# Altium PCB Minion_Rev2.PcbDoc (part 5 of 11) (continued)
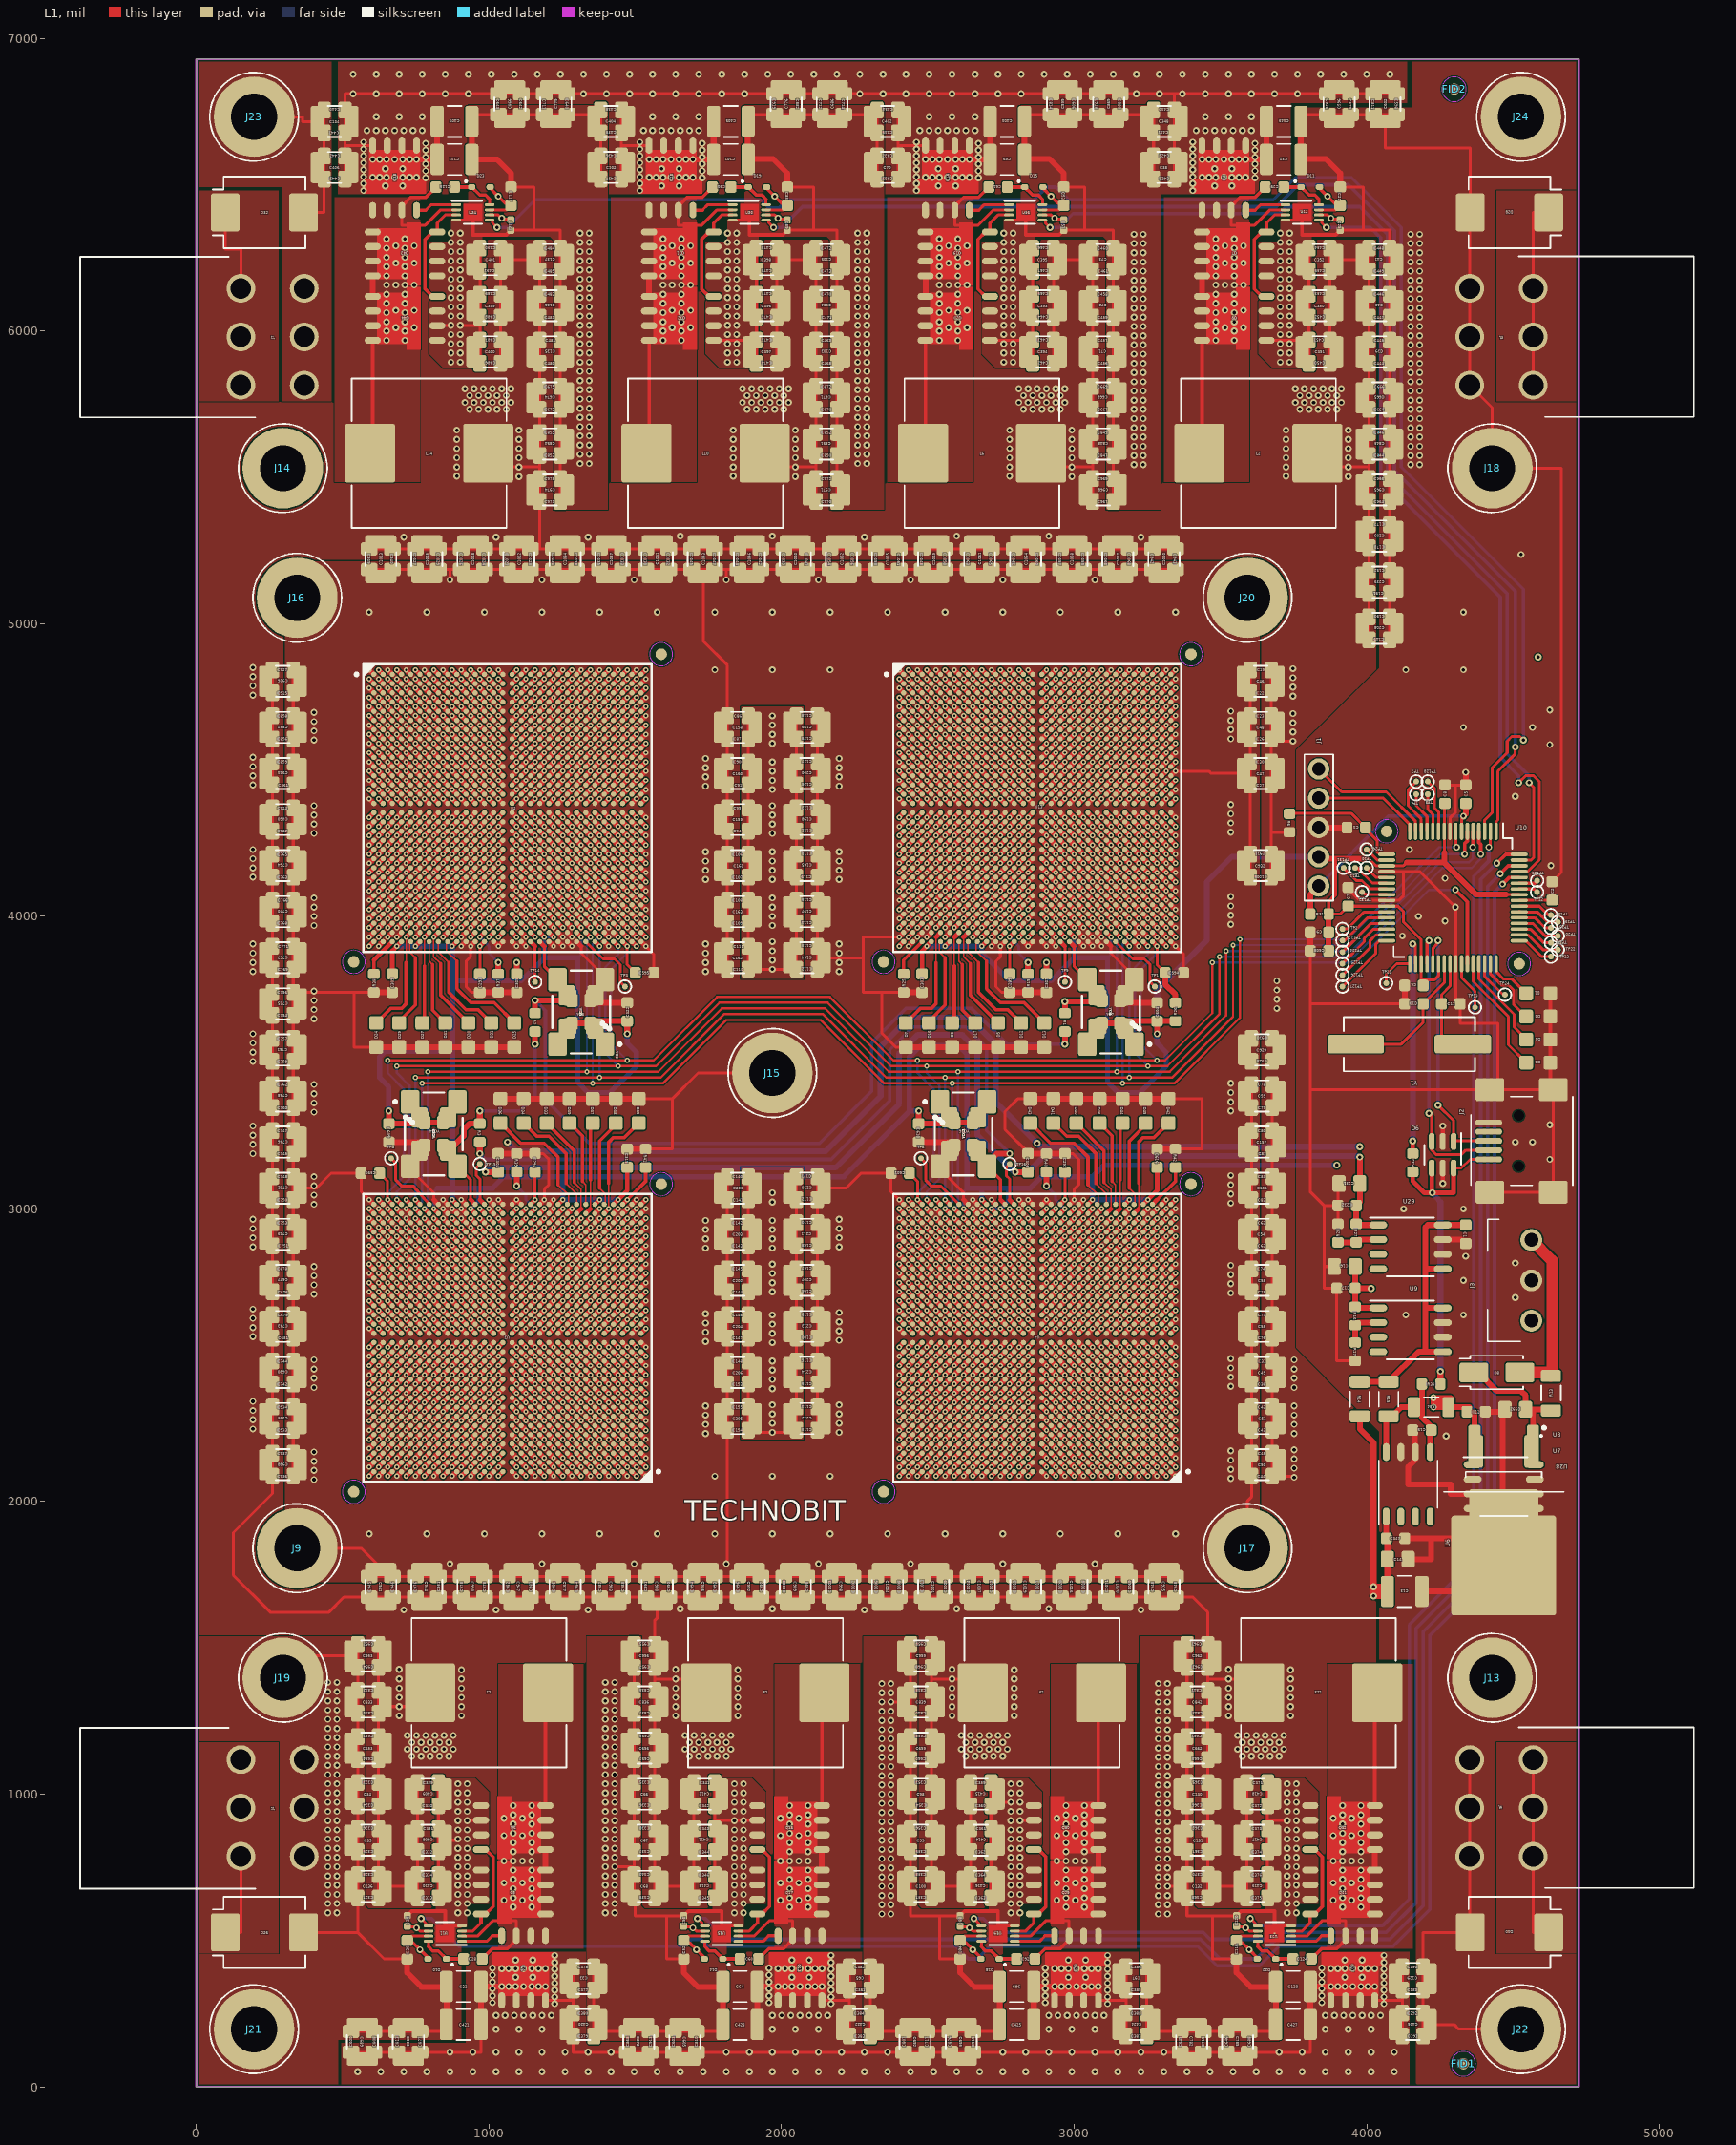
[diagram p0: L1 view]
## Nets (pads, with @x,y where several pads share a name; then routed paths per layer and width w, separated by ;. In a path a pad name is that pad's centre, name@x,y a point inside that pad or via, vN(x,y) a via of type N, cw(c..) or ccw(c..) an arc to the next point about the centre after c; other vN are vias at no path point) (continued)
v1(1125.98,2748.03) ; U3.AC14@1110.24,2795.28 v1(1125.98,2811.02) ; U3.AE14@1110.24,2858.27 v1(1125.98,2874.02) ; U3.AG14@1110.24,2921.26 v1(1125.98,2937.01) ; U3.AJ14@1110.24,2984.25 v1(1125.98,3000) ; U2.AH17@1110.24,3976.38 v1(1125.98,3960.63) ; U2.AF17@1110.24,4039.37 v1(1125.98,4023.62) ; U2.AD17@1110.24,4102.36 v1(1125.98,4086.61) ; U2.AB17@1110.24,4165.35 v1(1125.98,4149.61) ; U2.Y17@1110.24,4228.35 v1(1125.98,4212.6) ; U2.V17@1110.24,4291.34 v1(1125.98,4275.59) ; U2.T17@1110.24,4354.33 v1(1125.98,4338.58) ; U2.P17@1110.24,4417.32 v1(1125.98,4433.07) ; U2.M17@1110.24,4480.31 v1(1125.98,4496.06) ; U2.K17@1110.24,4543.31 v1(1125.98,4559.06) ; U2.H17@1110.24,4606.3 v1(1125.98,4622.05) ; U2.F17@1110.24,4669.29 v1(1125.98,4685.04) ; U2.D17@1110.24,4732.28 v1(1125.98,4748.03) ; U2.B17@1110.24,4795.28 v1(1125.98,4811.02) ; U3.B13@1141.73,2133.86 v1(1157.48,2118.11) ; U3.D13@1141.73,2196.85 v1(1157.48,2181.1) ; U3.F13@1141.73,2259.84 v1(1157.48,2244.09) ; U3.H13@1141.73,2322.83 v1(1157.48,2307.09) ; U3.K13@1141.73,2385.83 v1(1157.48,2370.08) ; U3.M13@1141.73,2448.82 v1(1157.48,2433.07) ; U3.P13@1141.73,2511.81 v1(1157.48,2496.06) ; U3.T13@1141.73,2574.8 v1(1157.48,2590.55) ; U3.V13@1141.73,2637.8 v1(1157.48,2653.54) ; U3.Y13@1141.73,2700.79 v1(1157.48,2716.54) ; U3.AB13@1141.73,2763.78 v1(1157.48,2779.53) ; U3.AD13@1141.73,2826.77 v1(1157.48,2842.52) ; U3.AF13@1141.73,2889.76 v1(1157.48,2905.51) ; U3.AH13@1141.73,2952.76 v1(1157.48,2968.5) ; U2.AJ18@1141.73,3944.88 v1(1157.48,3929.13) ; U2.AG18@1141.73,4007.87 v1(1157.48,3992.13) ; U2.AE18@1141.73,4070.87 v1(1157.48,4055.12) ; U2.AC18@1141.73,4133.86 v1(1157.48,4118.11) ; U2.AA18@1141.73,4196.85 v1(1157.48,4181.1) ; U2.W18@1141.73,4259.84 v1(1157.48,4244.09) ; U2.U18@1141.73,4322.83 v1(1157.48,4307.09) ; U2.R18@1141.73,4385.83 v1(1157.48,4401.57) ; U2.N18@1141.73,4448.82 v1(1157.48,4464.57) ; U2.L18@1141.73,4511.81 v1(1157.48,4527.56) ; U2.J18@1141.73,4574.8 v1(1157.48,4590.55) ; U2.G18@1141.73,4637.8 v1(1157.48,4653.54) ; U2.E18@1141.73,4700.79 v1(1157.48,4716.54) ; U2.C18@1141.73,4763.78 v1(1157.48,4779.53) ; U2.A18@1141.73,4826.77 v1(1157.48,4842.52) ; U3.A12@1173.23,2102.36 v1(1188.98,2086.61) ; U3.C12@1173.23,2165.35 v1(1188.98,2149.61) ; U3.E12@1173.23,2228.35 v1(1188.98,2212.6) ; U3.G12@1173.23,2291.34 v1(1188.98,2275.59) ; U3.J12@1173.23,2354.33 v1(1188.98,2338.58) ; U3.L12@1173.23,2417.32 v1(1188.98,2401.57) ; U3.N12@1173.23,2480.31 v1(1188.98,2464.57) ; U3.R12@1173.23,2543.31 v1(1188.98,2527.56) ; U3.U12@1173.23,2606.3 v1(1188.98,2622.05) ; U3.W12@1173.23,2669.29 v1(1188.98,2685.04) ; U3.AA12@1173.23,2732.28 v1(1188.98,2748.03) ; U3.AC12@1173.23,2795.28 v1(1188.98,2811.02) ; U3.AE12@1173.23,2858.27 v1(1188.98,2874.02) ; U3.AG12@1173.23,2921.26 v1(1188.98,2937.01) ; U2.AH19@1173.23,3976.38 v1(1188.98,3960.63) ; U2.AF19@1173.23,4039.37 v1(1188.98,4023.62) ; U2.AD19@1173.23,4102.36 v1(1188.98,4086.61) ; U2.AB19@1173.23,4165.35 v1(1188.98,4149.61) ; U2.Y19@1173.23,4228.35 v1(1188.98,4212.6) ; U2.V19@1173.23,4291.34 v1(1188.98,4275.59) ; U2.T19@1173.23,4354.33 v1(1188.98,4338.58) ; U2.P19@1173.23,4417.32 v1(1188.98,4433.07) ; U2.M19@1173.23,4480.31 v1(1188.98,4496.06) ; U2.K19@1173.23,4543.31 v1(1188.98,4559.06) ; U2.H19@1173.23,4606.3 v1(1188.98,4622.05) ; U2.F19@1173.23,4669.29 v1(1188.98,4685.04) ; U2.D19@1173.23,4732.28 v1(1188.98,4748.03) ; U2.B19@1173.23,4795.28 v1(1188.98,4811.02) ; U3.B11@1204.72,2133.86 v1(1220.47,2118.11) ; U3.D11@1204.72,2196.85 v1(1220.47,2181.1) ; U3.F11@1204.72,2259.84 v1(1220.47,2244.09) ; U3.H11@1204.72,2322.83 v1(1220.47,2307.09) ; U3.K11@1204.72,2385.83 v1(1220.47,2370.08) ; U3.M11@1204.72,2448.82 v1(1220.47,2433.07) ; U3.P11@1204.72,2511.81 v1(1220.47,2496.06) ; U3.T11@1204.72,2574.8 v1(1220.47,2590.55) ; U3.V11@1204.72,2637.8 v1(1220.47,2653.54) ; U3.Y11@1204.72,2700.79 v1(1220.47,2716.54) ; U3.AB11@1204.72,2763.78 v1(1220.47,2779.53) ; U3.AD11@1204.72,2826.77 v1(1220.47,2842.52) ; U3.AF11@1204.72,2889.76 v1(1220.47,2905.51) ; U3.AH11@1204.72,2952.76 v1(1220.47,2968.5) ; U2.AG20@1204.72,4007.87 v1(1220.47,3992.13) ; U2.AE20@1204.72,4070.87 v1(1220.47,4055.12) ; U2.AC20@1204.72,4133.86 v1(1220.47,4118.11) ; U2.AA20@1204.72,4196.85 v1(1220.47,4181.1) ; U2.W20@1204.72,4259.84 v1(1220.47,4244.09) ; U2.U20@1204.72,4322.83 v1(1220.47,4307.09) ; U2.R20@1204.72,4385.83 v1(1220.47,4401.57) ; U2.N20@1204.72,4448.82 v1(1220.47,4464.57) ; U2.L20@1204.72,4511.81 v1(1220.47,4527.56) ; U2.J20@1204.72,4574.8 v1(1220.47,4590.55) ; U2.G20@1204.72,4637.8 v1(1220.47,4653.54) ; U2.E20@1204.72,4700.79 v1(1220.47,4716.54) ; U2.C20@1204.72,4763.78 v1(1220.47,4779.53) ; U2.A20@1204.72,4826.77 v1(1220.47,4842.52) ; U3.A10@1236.22,2102.36 v1(1251.97,2086.61) ; U3.C10@1236.22,2165.35 v1(1251.97,2149.61) ; U3.E10@1236.22,2228.35 v1(1251.97,2212.6) ; U3.G10@1236.22,2291.34 v1(1251.97,2275.59) ; U3.J10@1236.22,2354.33 v1(1251.97,2338.58) ; U3.L10@1236.22,2417.32 v1(1251.97,2401.57) ; U3.N10@1236.22,2480.31 v1(1251.97,2464.57) ; U3.R10@1236.22,2543.31 v1(1251.97,2527.56) ; U3.U10@1236.22,2606.3 v1(1251.97,2622.05) ; U3.W10@1236.22,2669.29 v1(1251.97,2685.04) ; U3.AA10@1236.22,2732.28 v1(1251.97,2748.03) ; U3.AC10@1236.22,2795.28 v1(1251.97,2811.02) ; U3.AE10@1236.22,2858.27 v1(1251.97,2874.02) ; U3.AG10@1236.22,2921.26 v1(1251.97,2937.01) ; U3.AJ10@1236.22,2984.25 v1(1251.97,3000) ; U2.AH21@1236.22,3976.38 v1(1251.97,3960.63) ; U2.AF21@1236.22,4039.37 v1(1251.97,4023.62) ; U2.AD21@1236.22,4102.36 v1(1251.97,4086.61) ; U2.AB21@1236.22,4165.35 v1(1251.97,4149.61) ; U2.Y21@1236.22,4228.35 v1(1251.97,4212.6) ; U2.V21@1236.22,4291.34 v1(1251.97,4275.59) ; U2.T21@1236.22,4354.33 v1(1251.97,4338.58) ; U2.P21@1236.22,4417.32 v1(1251.97,4433.07) ; U2.M21@1236.22,4480.31 v1(1251.97,4496.06) ; U2.K21@1236.22,4543.31 v1(1251.97,4559.06) ; U2.H21@1236.22,4606.3 v1(1251.97,4622.05) ; U2.F21@1236.22,4669.29 v1(1251.97,4685.04) ; U2.D21@1236.22,4732.28 v1(1251.97,4748.03) ; U2.B21@1236.22,4795.28 v1(1251.97,4811.02) ; U3.B9@1267.72,2133.86 v1(1283.46,2118.11) ; U3.D9@1267.72,2196.85 v1(1283.46,2181.1) ; U3.F9@1267.72,2259.84 v1(1283.46,2244.09) ; U3.H9@1267.72,2322.83 v1(1283.46,2307.09) ; U3.K9@1267.72,2385.83 v1(1283.46,2370.08) ; U3.M9@1267.72,2448.82 v1(1283.46,2433.07) ; U3.P9@1267.72,2511.81 v1(1283.46,2496.06) ; U3.T9@1267.72,2574.8 v1(1283.46,2590.55) ; U3.V9@1267.72,2637.8 v1(1283.46,2653.54) ; U3.Y9@1267.72,2700.79 v1(1283.46,2716.54) ; U3.AB9@1267.72,2763.78 v1(1283.46,2779.53) ; U3.AD9@1267.72,2826.77 v1(1283.46,2842.52) ; U3.AF9@1267.72,2889.76 v1(1283.46,2905.51) ; U3.AH9@1267.72,2952.76 v1(1283.46,2968.5) ; U2.AG22@1267.72,4007.87 v1(1283.46,3992.13) ; U2.AE22@1267.72,4070.87 v1(1283.46,4055.12) ; U2.AC22@1267.72,4133.86 v1(1283.46,4118.11) ; U2.AA22@1267.72,4196.85 v1(1283.46,4181.1) ; U2.W22@1267.72,4259.84 v1(1283.46,4244.09) ; U2.U22@1267.72,4322.83 v1(1283.46,4307.09) ; U2.R22@1267.72,4385.83 v1(1283.46,4401.57) ; U2.N22@1267.72,4448.82 v1(1283.46,4464.57) ; U2.L22@1267.72,4511.81 v1(1283.46,4527.56) ; U2.J22@1267.72,4574.8 v1(1283.46,4590.55) ; U2.G22@1267.72,4637.8 v1(1283.46,4653.54) ; U2.E22@1267.72,4700.79 v1(1283.46,4716.54) ; U2.C22@1267.72,4763.78 v1(1283.46,4779.53) ; U2.A22@1267.72,4826.77 v1(1283.46,4842.52) ; U3.A8@1299.21,2102.36 v1(1314.96,2086.61) ; U3.C8@1299.21,2165.35 v1(1314.96,2149.61) ; U3.E8@1299.21,2228.35 v1(1314.96,2212.6) ; U3.G8@1299.21,2291.34 v1(1314.96,2275.59) ; U3.J8@1299.21,2354.33 v1(1314.96,2338.58) ; U3.L8@1299.21,2417.32 v1(1314.96,2401.57) ; U3.N8@1299.21,2480.31 v1(1314.96,2464.57) ; U3.R8@1299.21,2543.31 v1(1314.96,2527.56) ; U3.U8@1299.21,2606.3 v1(1314.96,2622.05) ; U3.W8@1299.21,2669.29 v1(1314.96,2685.04) ; U3.AA8@1299.21,2732.28 v1(1314.96,2748.03) ; U3.AC8@1299.21,2795.28 v1(1314.96,2811.02) ; U3.AE8@1299.21,2858.27 v1(1314.96,2874.02) ; U3.AG8@1299.21,2921.26 v1(1314.96,2937.01) ; U2.AH23@1299.21,3976.38 v1(1314.96,3960.63) ; U2.AF23@1299.21,4039.37 v1(1314.96,4023.62) ; U2.AD23@1299.21,4102.36 v1(1314.96,4086.61) ; U2.AB23@1299.21,4165.35 v1(1314.96,4149.61) ; U2.Y23@1299.21,4228.35 v1(1314.96,4212.6) ; U2.V23@1299.21,4291.34 v1(1314.96,4275.59) ; U2.T23@1299.21,4354.33 v1(1314.96,4338.58) ; U2.P23@1299.21,4417.32 v1(1314.96,4433.07) ; U2.M23@1299.21,4480.31 v1(1314.96,4496.06) ; U2.K23@1299.21,4543.31 v1(1314.96,4559.06) ; U2.H23@1299.21,4606.3 v1(1314.96,4622.05) ; U2.F23@1299.21,4669.29 v1(1314.96,4685.04) ; U2.D23@1299.21,4732.28 v1(1314.96,4748.03) ; U2.B23@1299.21,4795.28 v1(1314.96,4811.02) ; U3.B7@1330.71,2133.86 v1(1346.46,2118.11) ; U3.D7@1330.71,2196.85 v1(1346.46,2181.1) ; U3.F7@1330.71,2259.84 v1(1346.46,2244.09) ; U3.H7@1330.71,2322.83 v1(1346.46,2307.09) ; U3.K7@1330.71,2385.83 v1(1346.46,2370.08) ; U3.M7@1330.71,2448.82 v1(1346.46,2433.07) ; U3.P7@1330.71,2511.81 v1(1346.46,2496.06) ; U3.T7@1330.71,2574.8 v1(1346.46,2590.55) ; U3.V7@1330.71,2637.8 v1(1346.46,2653.54) ; U3.Y7@1330.71,2700.79 v1(1346.46,2716.54) ; U3.AB7@1330.71,2763.78 v1(1346.46,2779.53) ; U3.AD7@1330.71,2826.77 v1(1346.46,2842.52) ; U3.AF7@1330.71,2889.76 v1(1346.46,2905.51) ; U3.AH7@1330.71,2952.76 v1(1346.46,2968.5) ; U2.AG24@1330.71,4007.87 v1(1346.46,3992.13) ; U2.AE24@1330.71,4070.87 v1(1346.46,4055.12) ; U2.AC24@1330.71,4133.86 v1(1346.46,4118.11) ; U2.AA24@1330.71,4196.85 v1(1346.46,4181.1) ; U2.W24@1330.71,4259.84 v1(1346.46,4244.09) ; U2.U24@1330.71,4322.83 v1(1346.46,4307.09) ; U2.R24@1330.71,4385.83 v1(1346.46,4401.57) ; U2.N24@1330.71,4448.82 v1(1346.46,4464.57) ; U2.L24@1330.71,4511.81 v1(1346.46,4527.56) ; U2.J24@1330.71,4574.8 v1(1346.46,4590.55) ; U2.G24@1330.71,4637.8 v1(1346.46,4653.54) ; U2.E24@1330.71,4700.79 v1(1346.46,4716.54) ; U2.C24@1330.71,4763.78 v1(1346.46,4779.53) ; U2.A24@1330.71,4826.77 v1(1346.46,4842.52) ; U3.A6@1362.2,2102.36 v1(1377.95,2086.61) ; U3.C6@1362.2,2165.35 v1(1377.95,2149.61) ; U3.E6@1362.2,2228.35 v1(1377.95,2212.6) ; U3.G6@1362.2,2291.34 v1(1377.95,2275.59) ; U3.J6@1362.2,2354.33 v1(1377.95,2338.58) ; U3.L6@1362.2,2417.32 v1(1377.95,2401.57) ; U3.N6@1362.2,2480.31 v1(1377.95,2464.57) ; U3.R6@1362.2,2543.31 v1(1377.95,2527.56) ; U3.U6@1362.2,2606.3 v1(1377.95,2622.05) ; U3.W6@1362.2,2669.29 v1(1377.95,2685.04) ; U3.AA6@1362.2,2732.28 v1(1377.95,2748.03) ; U3.AC6@1362.2,2795.28 v1(1377.95,2811.02) ; U3.AE6@1362.2,2858.27 v1(1377.95,2874.02) ; U3.AG6@1362.2,2921.26 v1(1377.95,2937.01) ; U2.AH25@1362.2,3976.38 v1(1377.95,3960.63) ; U2.AF25@1362.2,4039.37 v1(1377.95,4023.62) ; U2.AD25@1362.2,4102.36 v1(1377.95,4086.61) ; U2.AB25@1362.2,4165.35 v1(1377.95,4149.61) ; U2.Y25@1362.2,4228.35 v1(1377.95,4212.6) ; U2.V25@1362.2,4291.34 v1(1377.95,4275.59) ; U2.T25@1362.2,4354.33 v1(1377.95,4338.58) ; U2.P25@1362.2,4417.32 v1(1377.95,4433.07) ; U2.M25@1362.2,4480.31 v1(1377.95,4496.06) ; U2.K25@1362.2,4543.31 v1(1377.95,4559.06) ; U2.H25@1362.2,4606.3 v1(1377.95,4622.05) ; U2.F25@1362.2,4669.29 v1(1377.95,4685.04) ; U2.D25@1362.2,4732.28 v1(1377.95,4748.03) ; U2.B25@1362.2,4795.28 v1(1377.95,4811.02) ; U3.B5@1393.7,2133.86 v1(1409.45,2118.11) ; U3.D5@1393.7,2196.85 v1(1409.45,2181.1) ; U3.F5@1393.7,2259.84 v1(1409.45,2244.09) ; U3.H5@1393.7,2322.83 v1(1409.45,2307.09) ; U3.K5@1393.7,2385.83 v1(1409.45,2370.08) ; U3.M5@1393.7,2448.82 v1(1409.45,2433.07) ; U3.P5@1393.7,2511.81 v1(1409.45,2496.06) ; U3.T5@1393.7,2574.8 v1(1409.45,2590.55) ; U3.V5@1393.7,2637.8 v1(1409.45,2653.54) ; U3.Y5@1393.7,2700.79 v1(1409.45,2716.54) ; U3.AB5@1393.7,2763.78 v1(1409.45,2779.53) ; U3.AD5@1393.7,2826.77 v1(1409.45,2842.52) ; U3.AF5@1393.7,2889.76 v1(1409.45,2905.51) ; U3.AH5@1393.7,2952.76 v1(1409.45,2968.5) ; U2.AK26@1393.7,3913.39 v1(1409.45,3897.64) ; U2.AG26@1393.7,4007.87 v1(1409.45,3992.13) ; U2.AE26@1393.7,4070.87 v1(1409.45,4055.12) ; U2.AC26@1393.7,4133.86 v1(1409.45,4118.11) ; U2.AA26@1393.7,4196.85 v1(1409.45,4181.1) ; U2.W26@1393.7,4259.84 v1(1409.45,4244.09) ; U2.U26@1393.7,4322.83 v1(1409.45,4307.09) ; U2.R26@1393.7,4385.83 v1(1409.45,4401.57) ; U2.N26@1393.7,4448.82 v1(1409.45,4464.57) ; U2.L26@1393.7,4511.81 v1(1409.45,4527.56) ; U2.J26@1393.7,4574.8 v1(1409.45,4590.55) ; U2.G26@1393.7,4637.8 v1(1409.45,4653.54) ; U2.E26@1393.7,4700.79 v1(1409.45,4716.54) ; U2.C26@1393.7,4763.78 v1(1409.45,4779.53) ; U2.A26@1393.7,4826.77 v1(1409.45,4842.52) ; U3.A4@1425.2,2102.36 v1(1440.94,2086.61) ; U3.C4@1425.2,2165.35 v1(1440.94,2149.61) ; U3.E4@1425.2,2228.35 v1(1440.94,2212.6) ; U3.G4@1425.2,2291.34 v1(1440.94,2275.59) ; U3.J4@1425.2,2354.33 v1(1440.94,2338.58) ; U3.L4@1425.2,2417.32 v1(1440.94,2401.57) ; U3.N4@1425.2,2480.31 v1(1440.94,2464.57) ; U3.R4@1425.2,2543.31 v1(1440.94,2527.56) ; U3.U4@1425.2,2606.3 v1(1440.94,2622.05) ; U3.W4@1425.2,2669.29 v1(1440.94,2685.04) ; U3.AA4@1425.2,2732.28 v1(1440.94,2748.03) ; U3.AC4@1425.2,2795.28 v1(1440.94,2811.02) ; U3.AE4@1425.2,2858.27 v1(1440.94,2874.02) ; U3.AG4@1425.2,2921.26 v1(1440.94,2937.01) ; U2.AH27@1425.2,3976.38 v1(1440.94,3960.63) ; U2.AF27@1425.2,4039.37 v1(1440.94,4023.62) ; U2.AD27@1425.2,4102.36 v1(1440.94,4086.61) ; U2.AB27@1425.2,4165.35 v1(1440.94,4149.61) ; U2.Y27@1425.2,4228.35 v1(1440.94,4212.6) ; U2.V27@1425.2,4291.34 v1(1440.94,4275.59) ; U2.T27@1425.2,4354.33 v1(1440.94,4338.58) ; U2.P27@1425.2,4417.32 v1(1440.94,4433.07) ; U2.M27@1425.2,4480.31 v1(1440.94,4496.06) ; U2.K27@1425.2,4543.31 v1(1440.94,4559.06) ; U2.H27@1425.2,4606.3 v1(1440.94,4622.05) ; U2.F27@1425.2,4669.29 v1(1440.94,4685.04) ; U2.D27@1425.2,4732.28 v1(1440.94,4748.03) ; U2.B27@1425.2,4795.28 v1(1440.94,4811.02) ; U3.B3@1456.69,2133.86 v1(1472.44,2118.11) ; U3.D3@1456.69,2196.85 v1(1472.44,2181.1) ; U3.F3@1456.69,2259.84 v1(1472.44,2244.09) ; U3.H3@1456.69,2322.83 v1(1472.44,2307.09) ; U3.K3@1456.69,2385.83 v1(1472.44,2370.08) ; U3.M3@1456.69,2448.82 v1(1472.44,2433.07) ; U3.P3@1456.69,2511.81 v1(1472.44,2496.06) ; U3.T3@1456.69,2574.8 v1(1472.44,2590.55) ; U3.V3@1456.69,2637.8 v1(1472.44,2653.54) ; U3.Y3@1456.69,2700.79 v1(1472.44,2716.54) ; U3.AB3@1456.69,2763.78 v1(1472.44,2779.53) ; U3.AD3@1456.69,2826.77 v1(1472.44,2842.52) ; U3.AF3@1456.69,2889.76 v1(1472.44,2905.51) ; U3.AH3@1456.69,2952.76 v1(1472.44,2968.5) ; U2.AJ28@1456.69,3944.88 v1(1472.44,3929.13) ; U2.AG28@1456.69,4007.87 v1(1472.44,3992.13) ; U2.AE28@1456.69,4070.87 v1(1472.44,4055.12) ; U2.AC28@1456.69,4133.86 v1(1472.44,4118.11) ; U2.AA28@1456.69,4196.85 v1(1472.44,4181.1) ; U2.W28@1456.69,4259.84 v1(1472.44,4244.09) ; U2.U28@1456.69,4322.83 v1(1472.44,4307.09) ; U2.R28@1456.69,4385.83 v1(1472.44,4401.57) ; U2.N28@1456.69,4448.82 v1(1472.44,4464.57) ; U2.L28@1456.69,4511.81 v1(1472.44,4527.56) ; U2.J28@1456.69,4574.8 v1(1472.44,4590.55) ; U2.G28@1456.69,4637.8 v1(1472.44,4653.54) ; U2.E28@1456.69,4700.79 v1(1472.44,4716.54) ; U2.C28@1456.69,4763.78 v1(1472.44,4779.53) ; U2.A28@1456.69,4826.77 v1(1472.44,4842.52) ; U3.A2@1488.19,2102.36 v1(1503.94,2086.61) ; U3.C2@1488.19,2165.35 v1(1503.94,2149.61) ; U3.E2@1488.19,2228.35 v1(1503.94,2212.6) ; U3.G2@1488.19,2291.34 v1(1503.94,2275.59) ; U3.J2@1488.19,2354.33 v1(1503.94,2338.58) ; U3.L2@1488.19,2417.32 v1(1503.94,2401.57) ; U3.N2@1488.19,2480.31 v1(1503.94,2464.57) ; U3.R2@1488.19,2543.31 v1(1503.94,2527.56) ; U3.U2@1488.19,2606.3 v1(1503.94,2622.05) ; U3.W2@1488.19,2669.29 v1(1503.94,2685.04) ; U3.AA2@1488.19,2732.28 v1(1503.94,2748.03) ; U3.AC2@1488.19,2795.28 v1(1503.94,2811.02) ; U3.AE2@1488.19,2858.27 v1(1503.94,2874.02) ; U3.AG2@1488.19,2921.26 v1(1503.94,2937.01) ; U3.AJ2@1488.19,2984.25 v1(1503.94,3000) ; U2.AK29@1488.19,3913.39 v1(1503.94,3897.64) ; U2.AH29@1488.19,3976.38 v1(1503.94,3960.63) ; U2.AF29@1488.19,4039.37 v1(1503.94,4023.62) ; U2.AD29@1488.19,4102.36 v1(1503.94,4086.61) ; U2.AB29@1488.19,4165.35 v1(1503.94,4149.61) ; U2.Y29@1488.19,4228.35 v1(1503.94,4212.6) ; U2.V29@1488.19,4291.34 v1(1503.94,4275.59) ; U2.T29@1488.19,4354.33 v1(1503.94,4338.58) ; U2.P29@1488.19,4417.32 v1(1503.94,4433.07) ; U2.M29@1488.19,4480.31 v1(1503.94,4496.06) ; U2.K29@1488.19,4543.31 v1(1503.94,4559.06) ; U2.H29@1488.19,4606.3 v1(1503.94,4622.05) ; U2.F29@1488.19,4669.29 v1(1503.94,4685.04) ; U2.D29@1488.19,4732.28 v1(1503.94,4748.03) ; U2.B29@1488.19,4795.28 v1(1503.94,4811.02) ; U3.B1@1519.68,2133.86 v1(1535.43,2118.11) ; U3.D1@1519.68,2196.85 v1(1535.43,2181.1) ; U3.F1@1519.68,2259.84 v1(1535.43,2244.09) ; U3.H1@1519.68,2322.83 v1(1535.43,2307.09) ; U3.K1@1519.68,2385.83 v1(1535.43,2370.08) ; U3.M1@1519.68,2448.82 v1(1535.43,2433.07) ; U3.P1@1519.68,2511.81 v1(1535.43,2496.06) ; U3.T1@1519.68,2574.8 v1(1535.43,2590.55) ; U3.V1@1519.68,2637.8 v1(1535.43,2653.54) ; U3.Y1@1519.68,2700.79 v1(1535.43,2716.54) ; U3.AB1@1519.68,2763.78 v1(1535.43,2779.53) ; U3.AD1@1519.68,2826.77 v1(1535.43,2842.52) ; U3.AF1@1519.68,2889.76 v1(1535.43,2905.51) ; U3.AH1@1519.68,2952.76 v1(1535.43,2968.5) ; U3.AK1@1519.68,3015.75 v1(1535.43,3031.5) ; U2.AJ30@1519.68,3944.88 v1(1535.43,3929.13) ; U2.AG30@1519.68,4007.87 v1(1535.43,3992.13) ; U2.AE30@1519.68,4070.87 v1(1535.43,4055.12) ; U2.AC30@1519.68,4133.86 v1(1535.43,4118.11) ; U2.AA30@1519.68,4196.85 v1(1535.43,4181.1) ; U2.W30@1519.68,4259.84 v1(1535.43,4244.09) ; U2.U30@1519.68,4322.83 v1(1535.43,4307.09) ; U2.R30@1519.68,4385.83 v1(1535.43,4401.57) ; U2.N30@1519.68,4448.82 v1(1535.43,4464.57) ; U2.L30@1519.68,4511.81 v1(1535.43,4527.56) ; U2.J30@1519.68,4574.8 v1(1535.43,4590.55) ; U2.G30@1519.68,4637.8 v1(1535.43,4653.54) ; U2.E30@1519.68,4700.79 v1(1535.43,4716.54) ; U2.C30@1519.68,4763.78 v1(1535.43,4779.53) ; U2.A30@1519.68,4826.77 v1(1535.43,4842.52) ; v1(2401.57,2086.61) U4.A30@2417.32,2102.36 ; v1(2401.57,2149.61) U4.C30@2417.32,2165.35 ; v1(2401.57,2212.6) U4.E30@2417.32,2228.35 ; v1(2401.57,2275.59) U4.G30@2417.32,2291.34 ; v1(2401.57,2338.58) U4.J30@2417.32,2354.33 ; v1(2401.57,2401.57) U4.L30@2417.32,2417.32 ; v1(2401.57,2464.57) U4.N30@2417.32,2480.31 ; v1(2401.57,2527.56) U4.R30@2417.32,2543.31 ; v1(2401.57,2622.05) U4.U30@2417.32,2606.3 ; v1(2401.57,2685.04) U4.W30@2417.32,2669.29 ; v1(2401.57,2748.03) U4.AA30@2417.32,2732.28 ; v1(2401.57,2811.02) U4.AC30@2417.32,2795.28 ; v1(2401.57,2874.02) U4.AE30@2417.32,2858.27 ; v1(2401.57,2937.01) U4.AG30@2417.32,2921.26 ; v1(2401.57,3000) U4.AJ30@2417.32,2984.25 ; v1(2401.57,3897.64) U13.AK1@2417.32,3913.39 ; v1(2401.57,3960.63) U13.AH1@2417.32,3976.38 ; v1(2401.57,4023.62) U13.AF1@2417.32,4039.37 ; v1(2401.57,4086.61) U13.AD1@2417.32,4102.36 ; v1(2401.57,4149.61) U13.AB1@2417.32,4165.35 ; v1(2401.57,4212.6) U13.Y1@2417.32,4228.35 ; v1(2401.57,4275.59) U13.V1@2417.32,4291.34 ; v1(2401.57,4338.58) U13.T1@2417.32,4354.33 ; v1(2401.57,4433.07) U13.P1@2417.32,4417.32 ; v1(2401.57,4496.06) U13.M1@2417.32,4480.31 ; v1(2401.57,4559.06) U13.K1@2417.32,4543.31 ; v1(2401.57,4622.05) U13.H1@2417.32,4606.3 ; v1(2401.57,4685.04) U13.F1@2417.32,4669.29 ; v1(2401.57,4748.03) U13.D1@2417.32,4732.28 ; v1(2401.57,4811.02) U13.B1@2417.32,4795.28 ; v1(2433.07,2118.11) U4.B29@2448.82,2133.86 ; v1(2433.07,2181.1) U4.D29@2448.82,2196.85 ; v1(2433.07,2244.09) U4.F29@2448.82,2259.84 ; v1(2433.07,2307.09) U4.H29@2448.82,2322.83 ; v1(2433.07,2370.08) U4.K29@2448.82,2385.83 ; v1(2433.07,2433.07) U4.M29@2448.82,2448.82 ; v1(2433.07,2496.06) U4.P29@2448.82,2511.81 ; v1(2433.07,2590.55) U4.T29@2448.82,2574.8 ; v1(2433.07,2653.54) U4.V29@2448.82,2637.8 ; v1(2433.07,2716.54) U4.Y29@2448.82,2700.79 ; v1(2433.07,2779.53) U4.AB29@2448.82,2763.78 ; v1(2433.07,2842.52) U4.AD29@2448.82,2826.77 ; v1(2433.07,2905.51) U4.AF29@2448.82,2889.76 ; v1(2433.07,2968.5) U4.AH29@2448.82,2952.76 ; v1(2433.07,3031.5) U4.AK29@2448.82,3015.75 ; v1(2433.07,3929.13) U13.AJ2@2448.82,3944.88 ; v1(2433.07,3992.13) U13.AG2@2448.82,4007.87 ; v1(2433.07,4055.12) U13.AE2@2448.82,4070.87 ; v1(2433.07,4118.11) U13.AC2@2448.82,4133.86 ; v1(2433.07,4181.1) U13.AA2@2448.82,4196.85 ; v1(2433.07,4244.09) U13.W2@2448.82,4259.84 ; v1(2433.07,4307.09) U13.U2@2448.82,4322.83 ; v1(2433.07,4401.57) U13.R2@2448.82,4385.83 ; v1(2433.07,4464.57) U13.N2@2448.82,4448.82 ; v1(2433.07,4527.56) U13.L2@2448.82,4511.81 ; v1(2433.07,4590.55) U13.J2@2448.82,4574.8 ; v1(2433.07,4653.54) U13.G2@2448.82,4637.8 ; v1(2433.07,4716.54) U13.E2@2448.82,4700.79 ; v1(2433.07,4779.53) U13.C2@2448.82,4763.78 ; v1(2433.07,4842.52) U13.A2@2448.82,4826.77 ; v1(2464.57,2086.61) U4.A28@2480.31,2102.36 ; v1(2464.57,2149.61) U4.C28@2480.31,2165.35 ; v1(2464.57,2212.6) U4.E28@2480.31,2228.35 ; v1(2464.57,2275.59) U4.G28@2480.31,2291.34 ; v1(2464.57,2338.58) U4.J28@2480.31,2354.33 ; v1(2464.57,2401.57) U4.L28@2480.31,2417.32 ; v1(2464.57,2464.57) U4.N28@2480.31,2480.31 ; v1(2464.57,2527.56) U4.R28@2480.31,2543.31 ; v1(2464.57,2622.05) U4.U28@2480.31,2606.3 ; v1(2464.57,2685.04) U4.W28@2480.31,2669.29 ; v1(2464.57,2748.03) U4.AA28@2480.31,2732.28 ; v1(2464.57,2811.02) U4.AC28@2480.31,2795.28 ; v1(2464.57,2874.02) U4.AE28@2480.31,2858.27 ; v1(2464.57,2937.01) U4.AG28@2480.31,2921.26 ; v1(2464.57,3000) U4.AJ28@2480.31,2984.25 ; v1(2464.57,3960.63) U13.AH3@2480.31,3976.38 ; v1(2464.57,4023.62) U13.AF3@2480.31,4039.37 ; v1(2464.57,4086.61) U13.AD3@2480.31,4102.36 ; v1(2464.57,4149.61) U13.AB3@2480.31,4165.35 ; v1(2464.57,4212.6) U13.Y3@2480.31,4228.35 ; v1(2464.57,4275.59) U13.V3@2480.31,4291.34 ; v1(2464.57,4338.58) U13.T3@2480.31,4354.33 ; v1(2464.57,4433.07) U13.P3@2480.31,4417.32 ; v1(2464.57,4496.06) U13.M3@2480.31,4480.31 ; v1(2464.57,4559.06) U13.K3@2480.31,4543.31 ; v1(2464.57,4622.05) U13.H3@2480.31,4606.3 ; v1(2464.57,4685.04) U13.F3@2480.31,4669.29 ; v1(2464.57,4748.03) U13.D3@2480.31,4732.28 ; v1(2464.57,4811.02) U13.B3@2480.31,4795.28 ; v1(2496.06,2118.11) U4.B27@2511.81,2133.86 ; v1(2496.06,2181.1) U4.D27@2511.81,2196.85 ; v1(2496.06,2244.09) U4.F27@2511.81,2259.84 ; v1(2496.06,2307.09) U4.H27@2511.81,2322.83 ; v1(2496.06,2370.08) U4.K27@2511.81,2385.83 ; v1(2496.06,2433.07) U4.M27@2511.81,2448.82 ; v1(2496.06,2496.06) U4.P27@2511.81,2511.81 ; v1(2496.06,2590.55) U4.T27@2511.81,2574.8 ; v1(2496.06,2653.54) U4.V27@2511.81,2637.8 ; v1(2496.06,2716.54) U4.Y27@2511.81,2700.79 ; v1(2496.06,2779.53) U4.AB27@2511.81,2763.78 ; v1(2496.06,2842.52) U4.AD27@2511.81,2826.77 ; v1(2496.06,2905.51) U4.AF27@2511.81,2889.76 ; v1(2496.06,2968.5) U4.AH27@2511.81,2952.76 ; v1(2496.06,3992.13) U13.AG4@2511.81,4007.87 ; v1(2496.06,4055.12) U13.AE4@2511.81,4070.87 ; v1(2496.06,4118.11) U13.AC4@2511.81,4133.86 ; v1(2496.06,4181.1) U13.AA4@2511.81,4196.85 ; v1(2496.06,4244.09) U13.W4@2511.81,4259.84 ; v1(2496.06,4307.09) U13.U4@2511.81,4322.83 ; v1(2496.06,4401.57) U13.R4@2511.81,4385.83 ; v1(2496.06,4464.57) U13.N4@2511.81,4448.82 ; v1(2496.06,4527.56) U13.L4@2511.81,4511.81 ; v1(2496.06,4590.55) U13.J4@2511.81,4574.8 ; v1(2496.06,4653.54) U13.G4@2511.81,4637.8 ; v1(2496.06,4716.54) U13.E4@2511.81,4700.79 ; v1(2496.06,4779.53) U13.C4@2511.81,4763.78 ; v1(2496.06,4842.52) U13.A4@2511.81,4826.77 ; v1(2527.56,2086.61) U4.A26@2543.31,2102.36 ; v1(2527.56,2149.61) U4.C26@2543.31,2165.35 ; v1(2527.56,2212.6) U4.E26@2543.31,2228.35 ; v1(2527.56,2275.59) U4.G26@2543.31,2291.34 ; v1(2527.56,2338.58) U4.J26@2543.31,2354.33 ; v1(2527.56,2401.57) U4.L26@2543.31,2417.32 ; v1(2527.56,2464.57) U4.N26@2543.31,2480.31 ; v1(2527.56,2527.56) U4.R26@2543.31,2543.31 ; v1(2527.56,2622.05) U4.U26@2543.31,2606.3 ; v1(2527.56,2685.04) U4.W26@2543.31,2669.29 ; v1(2527.56,2748.03) U4.AA26@2543.31,2732.28 ; v1(2527.56,2811.02) U4.AC26@2543.31,2795.28 ; v1(2527.56,2874.02) U4.AE26@2543.31,2858.27 ; v1(2527.56,2937.01) U4.AG26@2543.31,2921.26 ; v1(2527.56,3031.5) U4.AK26@2543.31,3015.75 ; v1(2527.56,3960.63) U13.AH5@2543.31,3976.38 ; v1(2527.56,4023.62) U13.AF5@2543.31,4039.37 ; v1(2527.56,4086.61) U13.AD5@2543.31,4102.36 ; v1(2527.56,4149.61) U13.AB5@2543.31,4165.35 ; v1(2527.56,4212.6) U13.Y5@2543.31,4228.35 ; v1(2527.56,4275.59) U13.V5@2543.31,4291.34 ; v1(2527.56,4338.58) U13.T5@2543.31,4354.33 ; v1(2527.56,4433.07) U13.P5@2543.31,4417.32 ; v1(2527.56,4496.06) U13.M5@2543.31,4480.31 ; v1(2527.56,4559.06) U13.K5@2543.31,4543.31 ; v1(2527.56,4622.05) U13.H5@2543.31,4606.3 ; v1(2527.56,4685.04) U13.F5@2543.31,4669.29 ; v1(2527.56,4748.03) U13.D5@2543.31,4732.28 ; v1(2527.56,4811.02) U13.B5@2543.31,4795.28 ; v1(2559.06,2118.11) U4.B25@2574.8,2133.86 ; v1(2559.06,2181.1) U4.D25@2574.8,2196.85 ; v1(2559.06,2244.09) U4.F25@2574.8,2259.84 ; v1(2559.06,2307.09) U4.H25@2574.8,2322.83 ; v1(2559.06,2370.08) U4.K25@2574.8,2385.83 ; v1(2559.06,2433.07) U4.M25@2574.8,2448.82 ; v1(2559.06,2496.06) U4.P25@2574.8,2511.81 ; v1(2559.06,2590.55) U4.T25@2574.8,2574.8 ; v1(2559.06,2653.54) U4.V25@2574.8,2637.8 ; v1(2559.06,2716.54) U4.Y25@2574.8,2700.79 ; v1(2559.06,2779.53) U4.AB25@2574.8,2763.78 ; v1(2559.06,2842.52) U4.AD25@2574.8,2826.77 ; v1(2559.06,2905.51) U4.AF25@2574.8,2889.76 ; v1(2559.06,2968.5) U4.AH25@2574.8,2952.76 ; v1(2559.06,3992.13) U13.AG6@2574.8,4007.87 ; v1(2559.06,4055.12) U13.AE6@2574.8,4070.87 ; v1(2559.06,4118.11) U13.AC6@2574.8,4133.86 ; v1(2559.06,4181.1) U13.AA6@2574.8,4196.85 ; v1(2559.06,4244.09) U13.W6@2574.8,4259.84 ; v1(2559.06,4307.09) U13.U6@2574.8,4322.83 ; v1(2559.06,4401.57) U13.R6@2574.8,4385.83 ; v1(2559.06,4464.57) U13.N6@2574.8,4448.82 ; v1(2559.06,4527.56) U13.L6@2574.8,4511.81 ; v1(2559.06,4590.55) U13.J6@2574.8,4574.8 ; v1(2559.06,4653.54) U13.G6@2574.8,4637.8 ; v1(2559.06,4716.54) U13.E6@2574.8,4700.79 ; v1(2559.06,4779.53) U13.C6@2574.8,4763.78 ; v1(2559.06,4842.52) U13.A6@2574.8,4826.77 ; v1(2590.55,2086.61) U4.A24@2606.3,2102.36 ; v1(2590.55,2149.61) U4.C24@2606.3,2165.35 ; v1(2590.55,2212.6) U4.E24@2606.3,2228.35 ; v1(2590.55,2275.59) U4.G24@2606.3,2291.34 ; v1(2590.55,2338.58) U4.J24@2606.3,2354.33 ; v1(2590.55,2401.57) U4.L24@2606.3,2417.32 ; v1(2590.55,2464.57) U4.N24@2606.3,2480.31 ; v1(2590.55,2527.56) U4.R24@2606.3,2543.31 ; v1(2590.55,2622.05) U4.U24@2606.3,2606.3 ; v1(2590.55,2685.04) U4.W24@2606.3,2669.29 ; v1(2590.55,2748.03) U4.AA24@2606.3,2732.28 ; v1(2590.55,2811.02) U4.AC24@2606.3,2795.28 ; v1(2590.55,2874.02) U4.AE24@2606.3,2858.27 ; v1(2590.55,2937.01) U4.AG24@2606.3,2921.26 ; v1(2590.55,3960.63) U13.AH7@2606.3,3976.38 ; v1(2590.55,4023.62) U13.AF7@2606.3,4039.37 ; v1(2590.55,4086.61) U13.AD7@2606.3,4102.36 ; v1(2590.55,4149.61) U13.AB7@2606.3,4165.35 ; v1(2590.55,4212.6) U13.Y7@2606.3,4228.35 ; v1(2590.55,4275.59) U13.V7@2606.3,4291.34 ; v1(2590.55,4338.58) U13.T7@2606.3,4354.33 ; v1(2590.55,4433.07) U13.P7@2606.3,4417.32 ; v1(2590.55,4496.06) U13.M7@2606.3,4480.31 ; v1(2590.55,4559.06) U13.K7@2606.3,4543.31 ; v1(2590.55,4622.05) U13.H7@2606.3,4606.3 ; v1(2590.55,4685.04) U13.F7@2606.3,4669.29 ; v1(2590.55,4748.03) U13.D7@2606.3,4732.28 ; v1(2590.55,4811.02) U13.B7@2606.3,4795.28 ; v1(2622.05,2118.11) U4.B23@2637.8,2133.86 ; v1(2622.05,2181.1) U4.D23@2637.8,2196.85 ; v1(2622.05,2244.09) U4.F23@2637.8,2259.84 ; v1(2622.05,2307.09) U4.H23@2637.8,2322.83 ; v1(2622.05,2370.08) U4.K23@2637.8,2385.83 ; v1(2622.05,2433.07) U4.M23@2637.8,2448.82 ; v1(2622.05,2496.06) U4.P23@2637.8,2511.81 ; v1(2622.05,2590.55) U4.T23@2637.8,2574.8 ; v1(2622.05,2653.54) U4.V23@2637.8,2637.8 ; v1(2622.05,2716.54) U4.Y23@2637.8,2700.79 ; v1(2622.05,2779.53) U4.AB23@2637.8,2763.78 ; v1(2622.05,2842.52) U4.AD23@2637.8,2826.77 ; v1(2622.05,2905.51) U4.AF23@2637.8,2889.76 ; v1(2622.05,2968.5) U4.AH23@2637.8,2952.76 ; v1(2622.05,3992.13) U13.AG8@2637.8,4007.87 ; v1(2622.05,4055.12) U13.AE8@2637.8,4070.87 ; v1(2622.05,4118.11) U13.AC8@2637.8,4133.86 ; v1(2622.05,4181.1) U13.AA8@2637.8,4196.85 ; v1(2622.05,4244.09) U13.W8@2637.8,4259.84 ; v1(2622.05,4307.09) U13.U8@2637.8,4322.83 ; v1(2622.05,4401.57) U13.R8@2637.8,4385.83 ; v1(2622.05,4464.57) U13.N8@2637.8,4448.82 ; v1(2622.05,4527.56) U13.L8@2637.8,4511.81 ; v1(2622.05,4590.55) U13.J8@2637.8,4574.8 ; v1(2622.05,4653.54) U13.G8@2637.8,4637.8 ; v1(2622.05,4716.54) U13.E8@2637.8,4700.79 ; v1(2622.05,4779.53) U13.C8@2637.8,4763.78 ; v1(2622.05,4842.52) U13.A8@2637.8,4826.77 ; v1(2653.54,2086.61) U4.A22@2669.29,2102.36 ; v1(2653.54,2149.61) U4.C22@2669.29,2165.35 ; v1(2653.54,2212.6) U4.E22@2669.29,2228.35 ; v1(2653.54,2275.59) U4.G22@2669.29,2291.34 ; v1(2653.54,2338.58) U4.J22@2669.29,2354.33 ; v1(2653.54,2401.57) U4.L22@2669.29,2417.32